# Altium PCB Main_Board.PcbDoc (part 3 of 3)
Units mil, origin at the board's own origin, x right, y up, seen from the top; angles counter-clockwise.
Board outline 4645.67 x 5570.87 mil, 4 copper layers (Top Layer, Layer 1, Layer 4, Bottom Layer), stack 23.756 mil thick; 249 components, 164 nets, 753 pads, 452 vias.
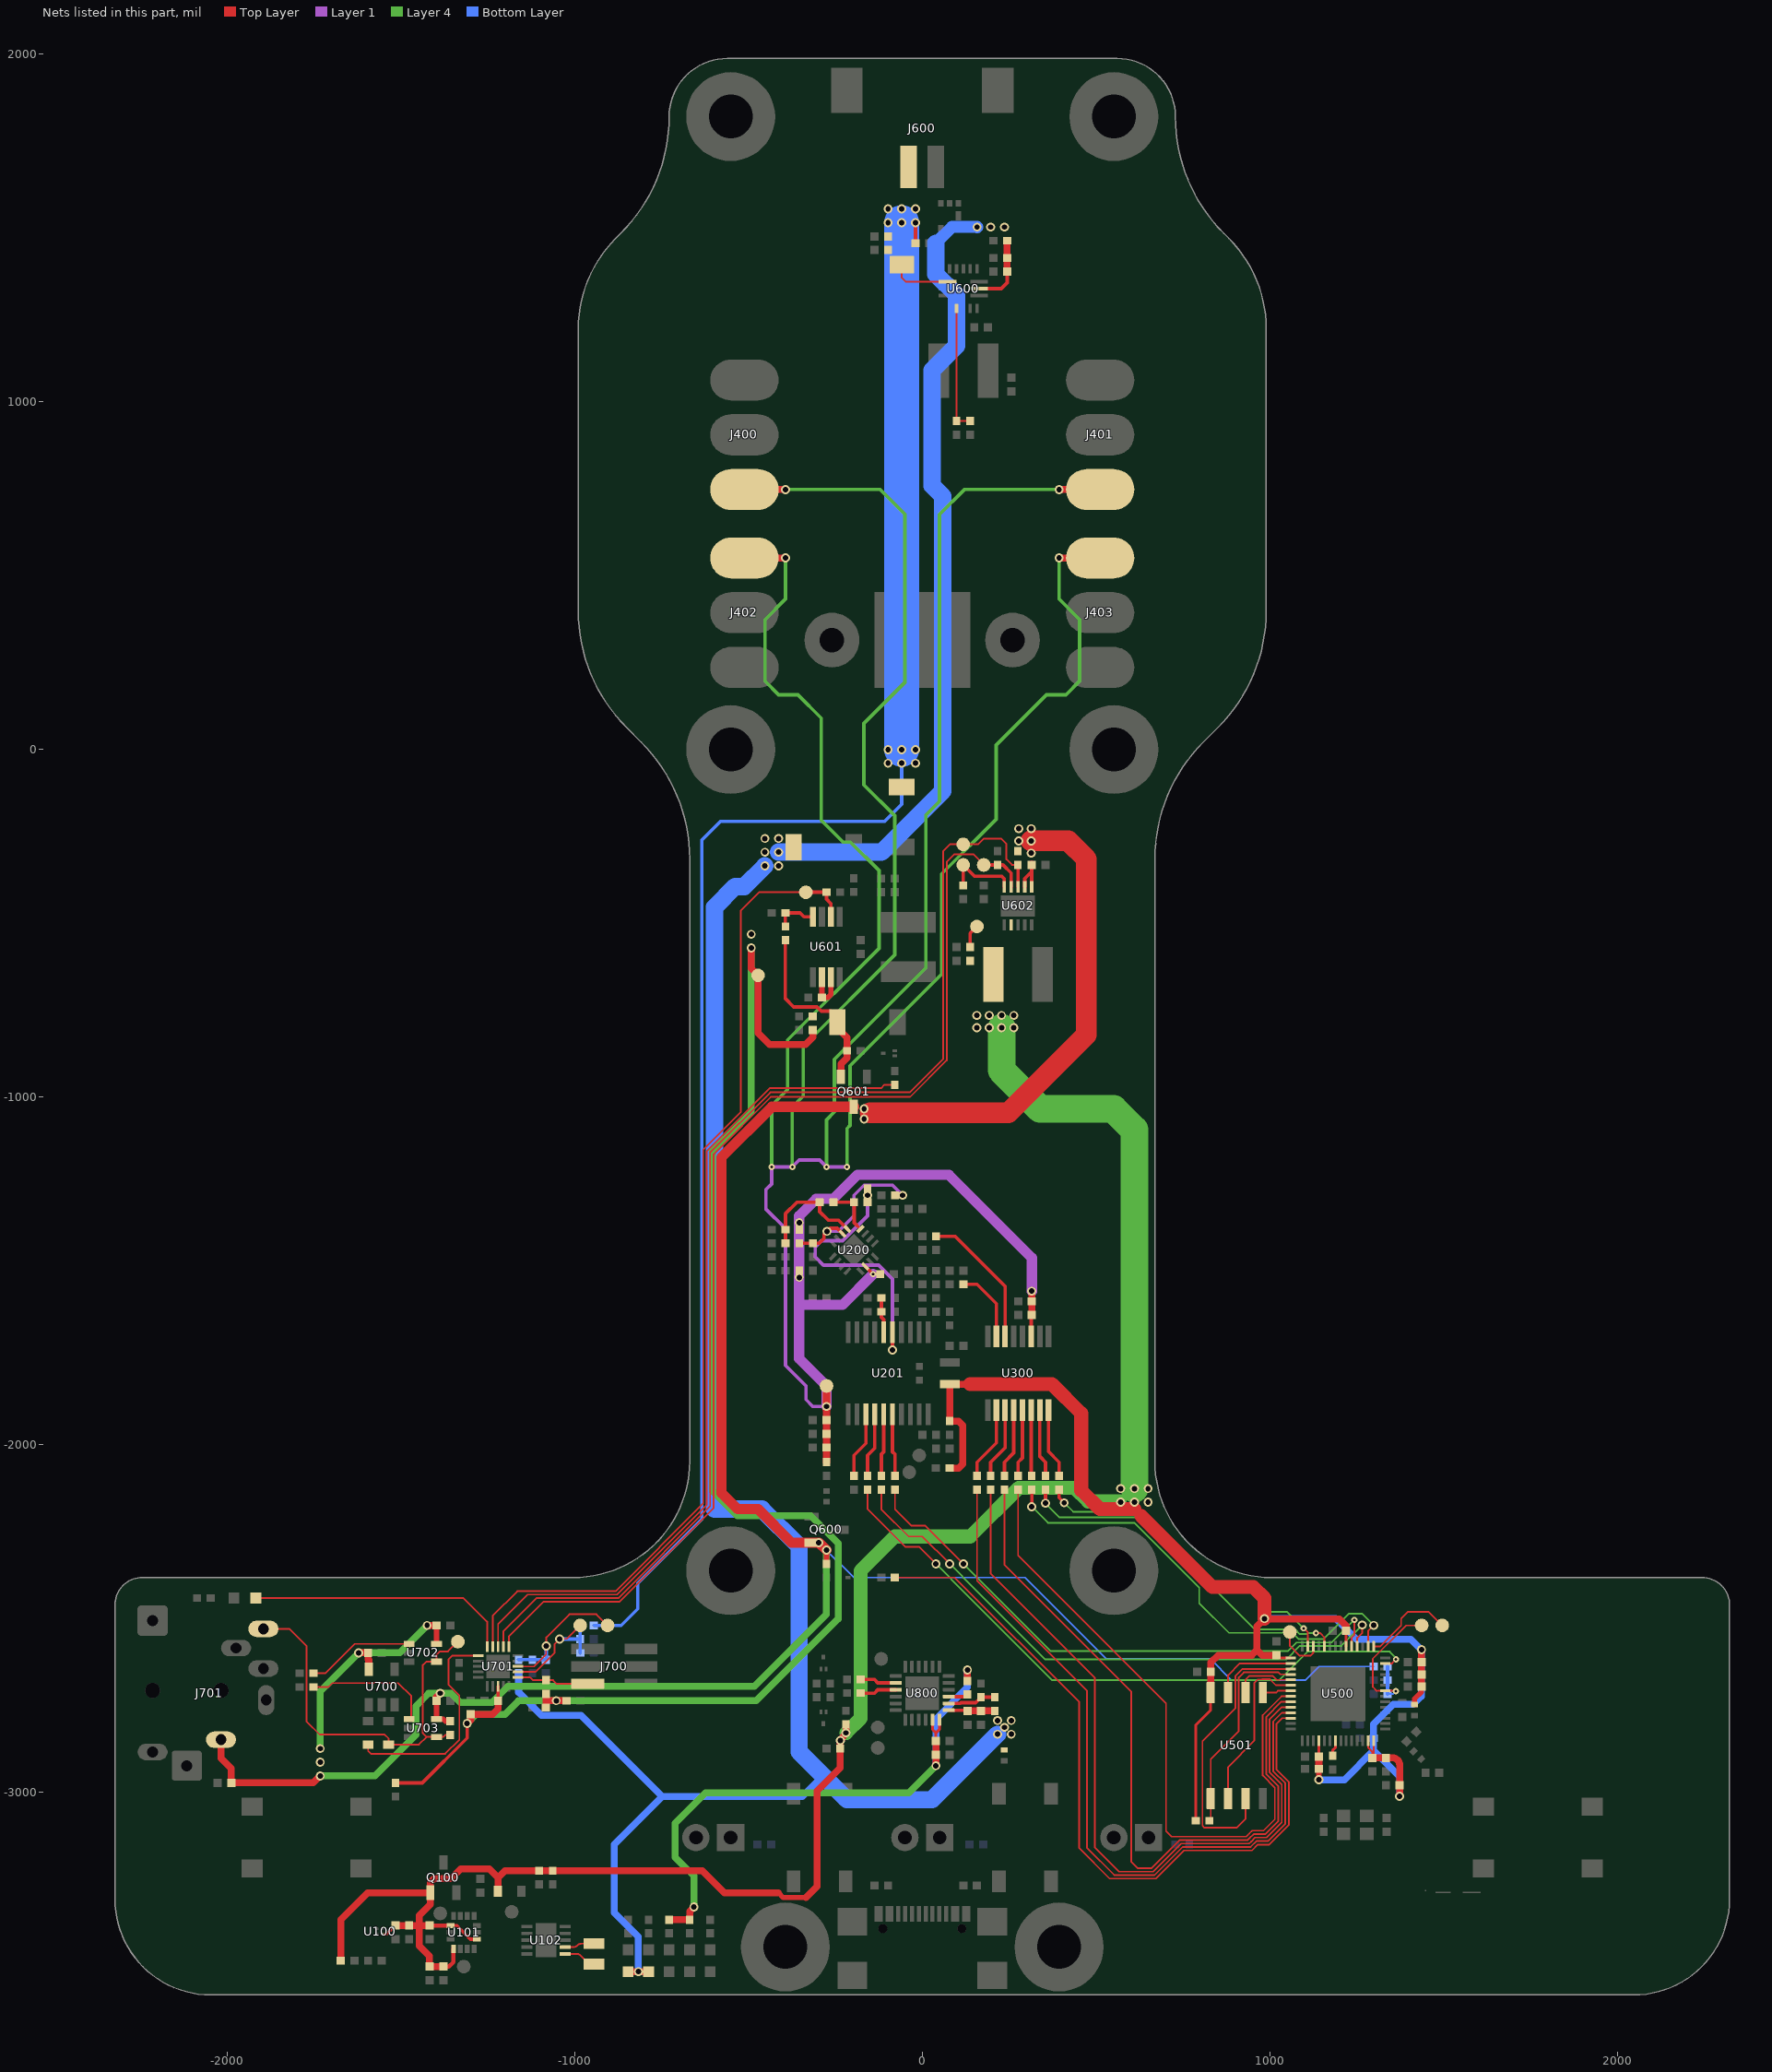
[diagram p5: the nets of this part, all layers, seen from the top]

## Via types
v1: diameter 25.98, hole 15.75, Top Layer to Bottom Layer, tented both sides, 343 vias
v2: diameter 18.11, hole 7.87, Top Layer to Bottom Layer, tented both sides, 109 vias

## Nets (pads, with @x,y where several pads share a name; then routed paths per layer and width w, separated by ;. In a path a pad name is that pad's centre, name@x,y a point inside that pad or via, vN(x,y) a via of type N, cw(c..) or ccw(c..) an arc to the next point about the centre after c; other vN are vias at no path point) (continued)
NetR204_1: R204.1 R220.1 U201.6 | length 101.3
  Top Layer w10: R204.1@-117.91,-1577.62 R220.1@-117.91,-1616.99 -117.91,-1632.89 -111.02,-1639.78 U201.6@-111.02,-1676.04
NetR210_2: R210.2 U201.13 | length 191.4
  Top Layer w10: R210.2@-196.65,-2089.43 -196.65,-2030.37 -162.2,-1995.92 U201.13@-162.2,-1912.26
NetR211_2: R211.2 U201.14 | length 185.7
  Top Layer w10: R211.2@-157.28,-2089.43 -157.28,-2030.37 -136.61,-2009.7 U201.14@-136.61,-1912.26
NetR212_2: R212.2 U201.15 | length 180
  Top Layer w10: R212.2@-117.91,-2089.43 -117.91,-2027.38 -111.02,-2020.49 U201.15@-111.02,-1912.26
NetR213_2: R213.2 U201.16 | length 180
  Top Layer w10: U201.16@-85.43,-1912.26 -85.43,-2020.49 -78.54,-2027.38 R213.2@-78.54,-2089.43
NetR214_1: R214.1 R221.2 R222.2 U200.10 | length 496
  Top Layer w10: R214.1@-354.13,-1420.14 R222.2@-314.76,-1420.14 -297.01,-1420.14 -282.48,-1405.61 -282.48,-1394.44 v1(-273.91,-1385.87) -265.34,-1377.3 -245.25,-1377.3 U200.10@-229.36,-1393.19 ; R221.2@-78.54,-1282.34 v1(-56.89,-1282.34)
  Layer 1 w10: v1(-273.91,-1385.87) -241.13,-1385.87 -196.65,-1341.4 -196.65,-1282.34 -167.46,-1253.15 -86.08,-1253.15 v1(-56.89,-1282.34)
NetR215_1: R215.1 R216.1 R217.2 U200.9 | length 324.7
  Top Layer w10: R216.1@-393.5,-1420.14 R215.1@-393.5,-1380.77 -393.5,-1335.06 -360.47,-1302.03 R217.2@-295.08,-1302.03 -295.08,-1329.09 -270.1,-1354.07 -240.65,-1354.07 U200.9@-215.44,-1379.27
NetR217_1: R217.1 R218.2 U200.8 | length 144.7
  Top Layer w10: R217.1@-255.71,-1302.03 -195.67,-1302.03 -195.67,-1361.47 U200.8@-177.86,-1379.27
NetR218_1: R218.1 R219.1 U201.5 | length 818.8
  Top Layer w10: R218.1@-157.28,-1302.03 v1(-157.28,-1282.34) R219.1@-157.28,-1262.66 ; v1(-85.43,-1727.22) U201.5@-85.43,-1676.04
  Layer 1 w10: v1(-157.28,-1282.34) -157.28,-1341.4 -229.02,-1413.14 -289.97,-1413.14 -307.96,-1431.14 -307.96,-1459.51 -284.35,-1483.12 -125.4,-1483.12 -85.43,-1523.09 v1(-85.43,-1727.22)
NetR301_2: R301.2 U300.2 | length 212
  Top Layer w10: R301.2@157.68,-2089.43 157.68,-2050.06 213.29,-1994.45 U300.2@213.29,-1900.45
NetR302_2: R302.2 U300.3 | length 206.1
  Top Layer w10: R302.2@197.05,-2089.43 197.05,-2050.06 238.29,-2008.82 U300.3@238.29,-1900.45
NetR303_2: R303.2 U300.4 | length 200.1
  Top Layer w10: R303.2@236.42,-2089.43 236.42,-2050.06 263.29,-2023.19 U300.4@263.29,-1900.45
NetR304_1: R304.1 U300.15 | length 212
  Top Layer w10: R304.1@118.31,-1538.25 157.68,-1538.25 213.29,-1593.86 U300.15@213.29,-1687.85
NetR306_2: R306.2 U300.6 | length 189.8
  Top Layer w10: U300.6@313.29,-1900.45 313.29,-2087.56 R306.2@315.16,-2089.43
NetR307_2: R307.2 U300.5 | length 194.2
  Top Layer w10: R307.2@275.79,-2089.43 275.79,-2050.06 288.29,-2037.56 U300.5@288.29,-1900.45
NetR308_2: R308.2 U300.8 | length 201.7
  Top Layer w10: U300.8@363.29,-1900.45 363.29,-2019.45 393.9,-2050.06 R308.2@393.9,-2089.43
NetR309_2: R309.2 U300.7 | length 195.7
  Top Layer w10: U300.7@338.29,-1900.45 338.29,-2033.82 354.53,-2050.06 R309.2@354.53,-2089.43
NetR311_1: R311.1 U300.14 | length 401.9
  Top Layer w10: R311.1@39.57,-1400.45 94.53,-1400.45 238.29,-1544.21 U300.14@238.29,-1687.85
NetR501_1: R501.1 U500.49 | length 46.4
  Top Layer w8: R501.1@1180.52,-2894.78 1180.52,-2879.55 1188.4,-2871.67 U500.49@1188.4,-2851.64
NetR607_1: R607.1 R612.2 U601.4 | length 125.1
  Top Layer w5: U601.4@-314.96,-482.22 U601.4@-314.17,-481.44
  Top Layer w10: R607.1@-393.9,-509 R612.2@-393.9,-469.63 -351.83,-469.63 -340.02,-481.44 U601.4@-314.17,-481.44
NetR610_2: R610.2 R613.1 U600.13 | length 363.4
  Top Layer w5: U600.13@98.62,1268.84 98.62,1236.28 98.62,945.08 R613.1@98.42,944.88 R610.2@137.8,944.88
NetR618_1: R618.1 TP607.1 U602.5 | length 216.8
  Top Layer w10: R618.1@117.91,-390.89 TP607.1@117.91,-331.83 150.5,-364.42 228.54,-364.42 236.02,-371.9 U602.5@236.02,-394.94
NetR703_2: R703.2 U702.1 | length 310.7
  Top Layer w5: R703.2@-1751.97,-2657.48 -1717.24,-2657.48 -1632.59,-2572.83 U702.1@-1476.38,-2572.83
NetR704_2: R704.2 U703.1 | length 374.1
  Top Layer w5: R704.2@-1751.97,-2696.85 -1708.54,-2696.85 -1697.28,-2685.59 -1507.92,-2685.59 -1470.36,-2723.15 -1470.36,-2789.37 U703.1@-1476.38,-2789.37
NetR802_2: R802.2 R806.2 U800.8 | length 139.8
  Top Layer w10: U800.8@76.18,-2744.07 109.43,-2744.07 111.62,-2741.89 153.76,-2741.89 R806.2@169.3,-2726.35 R802.2@208.66,-2726.35
NetR803_1: R803.1 U800.9 | length 56.2
  Top Layer w10: U800.9@76.18,-2724.39 124.09,-2724.39 129.92,-2718.56 R803.1@129.92,-2718.48
NetR804_1: R804.1 U800.20 | length 105.1
  Top Layer w10: R804.1@-177.16,-2675.17 -137.79,-2675.17 -127.95,-2685.01 U800.20@-76.18,-2685.01
NetR805_1: R805.1 U800.21 | length 105.1
  Top Layer w10: R805.1@-177.17,-2714.54 -137.79,-2714.54 -127.95,-2704.7 U800.21@-76.18,-2704.7
NetTP500_1: TP500.1 U500.15 | length 266.4
  Top Layer w5: U500.15@1298.63,-2579.64 1317.93,-2579.64 1377.95,-2519.62 1377.95,-2500 1397.64,-2480.31 1456.69,-2480.31 TP500.1@1496.06,-2519.68
NetTP501_1: TP501.1 U500.26 | length 141.4
  Top Layer w5: TP501.1@1057.73,-2538.69 1057.73,-2578.54 1085.99,-2606.81 1116.93,-2606.81 1125.4,-2598.33 U500.26@1125.4,-2579.64
NetU102_1: U102.1 Y100.2 | length 93.1
  Top Layer w5: U102.1@-1027.68,-3464.57 -993.27,-3464.57 cw(c-993.27,-3477.45) -984.16,-3468.34 -967.97,-3484.53 ccw(c-944.88,-3461.44) Y100.2@-944.88,-3494.09
NetU102_2: U102.2 Y100.1 | length 85.4
  Top Layer w5: U102.2@-1027.68,-3444.88 -1003.49,-3444.88 ccw(c-1003.49,-3430.01) -992.97,-3440.53 cw(c-979.73,-3453.77) -979.73,-3435.04 Y100.1@-944.88,-3435.04
nMCLR: J700.6 R702.1 U701.1 | length 208.5
  Top Layer w5: U701.1@-1163.39,-2669.29 -1127.53,-2669.29 -1119.66,-2677.17 R702.1@-1082.68,-2677.17 -1062.41,-2677.17 -1051.78,-2687.8 J700.6@-962.6,-2687.8
nSS_CONN: D700.2 J701.6 R708.1 TP700.1 U702.4 U703.4 | length 1174.6
  Top Layer w5: J701.6@-1895.67,-2529.53 -1820.87,-2529.53 -1771.65,-2578.74 -1771.65,-2795.28 -1733.1,-2833.83 -1547.01,-2833.83 -1535.43,-2845.41 D700.2@-1535.43,-2862.2 -1448.08,-2862.2 -1426.43,-2840.55 ; R708.1@-1358.27,-2834.65 -1371.93,-2834.65 -1377.84,-2840.55 -1426.43,-2840.55 ; TP700.1@-1336.23,-2566.43 -1364.49,-2594.7 -1387.55,-2594.7 -1397.64,-2604.78 U702.4@-1397.64,-2624.02 -1427.52,-2624.02 -1437.01,-2633.51 -1437.01,-2829.97 -1426.43,-2840.55
nSS_TX_EN: D701.2 U701.11 | length 635.1
  Top Layer w5: D701.2@-1594.49,-2862.2 -1594.49,-2881.06 -1586.63,-2888.92 -1372.81,-2888.92 -1332.02,-2848.13 -1332.02,-2720.83 -1363.44,-2689.41 -1363.44,-2618.41 -1351.33,-2606.3 U701.11@-1277.56,-2606.3
PCM1780_BCK: R309.1 U500.24 | length 1033.1
  Top Layer w5: v2(1132.62,-2541.9) 1145.19,-2541.9 1156.9,-2553.61 U500.24@1156.9,-2579.64
  Top Layer w10: v1(354.53,-2168.17) R309.1@354.53,-2128.8
  Layer 4 w5: v1(354.53,-2168.17) 395.36,-2209 633.79,-2209 955.8,-2531.01 1072.19,-2531.01 1085.66,-2544.48 1108.3,-2544.48 1110.88,-2541.9 v2(1132.62,-2541.9) v2@1130.12,-2544.41
PCM1780_DATA: R306.1 U500.16 | length 1328.1
  Top Layer w5: U500.16@1282.89,-2579.64 1282.89,-2536.01 v1(1299.21,-2519.68)
  Top Layer w10: v1(315.16,-2178.01) R306.1@315.16,-2128.8
  Layer 4 w5: v1(315.16,-2178.01) 361.56,-2224.41 610.24,-2224.41 796.96,-2411.14 796.96,-2455.51 882.46,-2541.01 1064.63,-2541.01 1082.36,-2558.74 1155.36,-2558.74 1228.51,-2485.6 1265.13,-2485.6 v1(1299.21,-2519.68)
PCM1780_LRCK: R308.1 U500.27 | length 939.7
  Top Layer w5: v2(1096.96,-2527.92) 1097.72,-2527.92 1109.66,-2539.86 U500.27@1109.66,-2579.64
  Top Layer w10: R308.1@393.9,-2128.8 393.9,-2152.47 v1(408.35,-2166.93)
  Layer 4 w5: v1(408.35,-2166.93) 434.16,-2192.74 638.92,-2192.74 818.76,-2372.58 847.76,-2401.57 925.2,-2401.57 1004.67,-2481.05 1050.09,-2481.05 v2(1096.96,-2527.92)
PCM1780_MC: R302.1 U500.38 | length 2165.2
  Top Layer w5: R302.1@197.05,-2128.8 197.05,-2370.74 496.87,-2670.56 496.87,-3092.91 496.87,-3158.6 566.3,-3228.03 664.21,-3228.03 745.12,-3147.12 940.51,-3147.12 946.22,-3141.41 957.63,-3130 990.23,-3130 1034.44,-3085.79 1034.44,-2977.97 999.43,-2942.96 999.43,-2789.44 1033.85,-2755.01 U500.38@1060.27,-2755.01
PCM1780_MD: R303.1 U500.37 | length 2111.1
  Top Layer w5: R303.1@236.42,-2128.8 236.42,-2345.24 601.03,-2709.84 601.03,-3199.45 619.61,-3218.03 659.92,-3218.03 740.83,-3137.12 936.36,-3137.12 942.08,-3131.41 953.49,-3120 986.08,-3120 1024.44,-3081.65 1024.44,-2982.12 989.43,-2947.1 989.43,-2783.47 1033.63,-2739.27 U500.37@1060.27,-2739.27
PCM1780_nMS: R301.1 U500.39 | length 2195.6
  Top Layer w5: R301.1@157.68,-2128.8 157.68,-2391.09 474.33,-2707.74 474.33,-3088.66 474.33,-3159.85 552.51,-3238.03 668.35,-3238.03 749.26,-3157.12 944.65,-3157.12 961.77,-3140 994.37,-3140 1044.44,-3089.93 1044.44,-2973.83 1009.43,-2938.82 1009.43,-2796.33 1034.99,-2770.76 U500.39@1060.27,-2770.76
PCM1780_SCK: R307.1 U500.36 | length 1916.7
  Top Layer w5: R307.1@275.79,-2128.8 275.79,-2318.11 701.4,-2743.72 701.4,-3111.71 716.81,-3127.12 932.22,-3127.12 934.33,-3125.01 940.71,-3118.63 949.34,-3110 981.94,-3110 1014.44,-3077.5 1014.44,-2986.26 979.43,-2951.24 979.43,-2777.77 1033.68,-2723.52 U500.36@1060.27,-2723.52
PIC_LED: D702.1 U701.10 | length 765.3
  Top Layer w5: D702.1@-1917.32,-2440.94 -1319.99,-2440.94 -1251.97,-2508.97 U701.10@-1251.97,-2580.71
SPI_SCK: R211.1 U500.13 | length 1862.1
  Top Layer w5: R211.1@-157.28,-2128.8 -157.28,-2185.24 -48.98,-2293.54 -9.61,-2293.54 v1(39.37,-2342.52) ; U500.13@1332.27,-2629.03 1351.84,-2629.03 v2(1363.2,-2617.66)
  Layer 4 w5: v1(39.37,-2342.52) 127.2,-2430.35 374.02,-2677.17 653.18,-2677.17 767.72,-2677.17 1026.79,-2677.17 1076.16,-2627.8 1108.79,-2595.17 1344.94,-2595.17 1363.2,-2613.43 v2(1363.2,-2617.66)
SPI_SDI: R212.1 U500.18 | length 1727.7
  Top Layer w5: R212.1@-117.91,-2128.8 -117.91,-2185.24 -39.37,-2263.78 0,-2263.78 v1(78.74,-2342.52) ; U500.18@1251.39,-2579.64 1251.39,-2555.43 1265.9,-2540.93 v1(1265.9,-2518.49)
  Layer 4 w5: v1(78.74,-2342.52) 152.22,-2416 354.02,-2617.8 1015.34,-2617.8 1047.27,-2617.8 1086.33,-2578.74 1205.65,-2578.74 v1(1265.9,-2518.49)
SPI_SDO: R213.1 U500.19 | length 1663.1
  Top Layer w5: R213.1@-78.54,-2128.8 -78.54,-2185.24 -30.65,-2233.13 8.72,-2233.13 v1(118.11,-2342.52) ; U500.19@1235.64,-2579.64 1235.64,-2554.66 1242.92,-2547.38 v2(1242.92,-2503.9)
  Layer 4 w5: v1(118.11,-2342.52) 177.17,-2401.57 369.35,-2593.76 1052.04,-2593.76 1077.06,-2568.74 1178.08,-2568.74 v2(1242.92,-2503.9)
SPICLK: U500.33 U501.6 | length 176.5
  Top Layer w5: U501.6@929.93,-2712.89 929.93,-2676.22 941.37,-2664.78 1008.21,-2664.78 1019.7,-2676.27 U500.33@1060.27,-2676.27
SPICS0: R505.1 U500.32 U501.1 | length 603.8
  Top Layer w5: R505.1@829.93,-3081.79 U501.1@829.93,-3017.61 829.93,-2904.69 910.62,-2824 910.62,-2669.51 925.35,-2654.78 1025.17,-2654.78 1030.92,-2660.53 U500.32@1060.27,-2660.53
SPID: U500.35 U501.5 | length 82.5
  Top Layer w5: U501.5@979.93,-2712.89 1017.92,-2712.89 1023.04,-2707.77 U500.35@1060.27,-2707.77
SPIHD: U500.30 U501.7 | length 244.6
  Top Layer w5: U501.7@879.93,-2712.89 879.93,-2662.48 913.38,-2629.03 U500.30@1060.27,-2629.03
SPIQ: U500.34 U501.2 | length 480
  Top Layer w5: U501.2@879.93,-3017.61 879.93,-2926.88 955.3,-2851.51 955.3,-2685.28 965.71,-2674.88 977.06,-2674.88 977.16,-2674.78 1000.49,-2674.78 1017.73,-2692.02 U500.34@1060.27,-2692.02
SPIWP: U500.31 U501.3 | length 833
  Top Layer w5: U501.3@929.93,-3017.61 929.93,-3076.47 904.93,-3101.47 811.98,-3101.47 806.13,-3095.63 806.13,-3067.85 806.13,-2852.59 900.62,-2758.1 900.62,-2665.36 921.21,-2644.78 U500.31@1060.27,-2644.78
USB_VBUS: C608.2 C609.2 C800.2 C801.2 D600.1 D601.1 D602.2 L800.2 R604.2 R608.1 R802.1 U600.2 U800.7 | length 7907
  Top Layer w10: U800.7@76.18,-2763.76 127.96,-2763.76 C801.2@129.93,-2765.72 ; U600.2@163.58,1325.93 227.37,1325.93 244.29,1342.85 C609.2@244.29,1374.69
  Top Layer w20: D600.1@-846.46,-3515.75 v1(-816.93,-3515.75) D601.1@-787.4,-3515.75 ; C801.2@129.93,-2765.72 C800.2@169.3,-2765.72 R802.1@208.66,-2765.72 ; C609.2@244.29,1374.69 C608.2@244.29,1414.05 R608.1@244.29,1463.72
  Bottom Layer w20: R604.2@-1161.42,-2657.48 -1161.42,-2712.47 -1095.58,-2778.31 -981.53,-2778.31 -748.08,-3011.76 ; v1(-816.93,-3515.75) -816.93,-3415.35 -885.83,-3346.46 -885.83,-3149.5 -748.08,-3011.76 ; -285.43,-2952.07 -345.17,-3011.81 -748.03,-3011.81 -748.08,-3011.76
  Bottom Layer w35: 38.52,1456.69 85.49,1503.67 157.1,1503.67 v1(157.68,1503.09)
  Bottom Layer w50: v1(-452.76,-334.65) -512.28,-394.17 -538.24,-394.17 -597.48,-453.41 -597.48,-2185.04 -461.26,-2185.04 -354.33,-2291.97 -354.33,-2883.18 -285.43,-2952.07 -216.54,-3020.97 28.22,-3020.97 v1(216.54,-2832.65) ; v1(-413.39,-295.28) -117.31,-295.28 59.06,-118.91 59.06,728.35 28.39,759.01 28.39,1091.38 98.62,1161.61 98.62,1307.82 38.52,1367.92 38.52,1456.69
  other v1: 255.91,-2832.65 236.22,-2812.97 216.54,-2793.28 255.91,-2793.28 -413.39,-334.65 -452.76,-295.28 -452.76,-255.91 -413.39,-255.91 197.05,1503.09 236.42,1503.09
USB_VBUS_FB: C624.2 R604.1 R609.2 TP603.1 U701.3 | length 480.1
  Top Layer w5: U701.3@-1163.39,-2637.8 -1117.44,-2637.8 -1082.68,-2603.03 -1082.68,-2579.68 v1(-1081.74,-2578.74) -1081.74,-2554.12 -1015.11,-2487.5 -937.7,-2487.5 TP603.1@-905.51,-2519.68
  Bottom Layer w10: R604.1@-1161.42,-2618.11 C624.2@-1082.68,-2618.11 -1082.21,-2617.64 -1082.21,-2579.21 v1(-1081.74,-2578.74)
V_BATT: C610.2 C611.2 D603.2 J600.1 R600.2 R605.2 R624.2 U600.9 | length 4919
  Top Layer w5: R605.2@-58.86,1394.82 -58.86,1357.65 -46.8,1345.59 U600.9@73.03,1345.61
  Top Layer w10: R624.2@-19.69,1456.69 v1(-19.69,1515.75)
  Bottom Layer w10: R600.2@-944.88,-2519.68 -866.14,-2519.68 -818.35,-2471.89 -818.35,-2398.52 -634.09,-2214.27 -634.09,-260.08 -580.45,-206.43 -108.01,-206.43 -59.06,-157.48 v1(-59.06,-39.37)
  Bottom Layer w100: v1(-59.06,0) v1(-59.06,1515.75)
  other v1: -98.43,-39.37 -19.68,-39.37 -98.43,0 -19.69,0 -98.43,1515.75 -98.43,1555.12 -59.06,1555.12 -19.69,1555.12
V_BATT_FB: C623.1 R600.1 R601.2 TP600.1 U701.2 | length 387
  Top Layer w5: U701.2@-1163.39,-2653.54 -1112.87,-2653.54 -1058.09,-2598.77 -1058.09,-2573.84 v1(-1043.31,-2559.06) -1042.5,-2558.25 -1022.81,-2558.25 TP600.1@-984.25,-2519.68
  Bottom Layer w10: v1(-1043.31,-2559.06) C623.1@-984.26,-2559.05 ; R601.2@-984.25,-2598.43 C623.1@-984.26,-2559.05 R600.1@-984.25,-2519.68
VDD_3V3: C100.1 C101.2 C102.2 C103.2 C104.2 C502.2 C503.2 C504.2 C505.2 C506.2 C507.2 C508.2 C510.2 C511.2 C512.2 C516.2 C615.2 C616.2 D100.2 L200.2 L501.1 L602.2 Q100.1 R100.1 R101.2 R102.2 R208.2 R209.2 R500.2 R502.1 R503.1 R505.2 TP604.1 U100.B1 U101.5 U101.8 U101.12 U500.20 U500.29 U500.46 U500.55 U500.56 U501.8 U602.7 | length 10372.4
  Top Layer w5.91: U500.55@1282.89,-2851.64 1282.89,-2871.44 1294.7,-2883.26 C511.2@1294.7,-2900.68 1298.63,-2896.75 U500.56@1298.63,-2851.64
  Top Layer w8: R505.2@786.82,-3081.79 786.82,-2806.09 829.93,-2762.98 U501.8@829.93,-2712.89 ; C503.2@1019.1,-2605.41 1026.98,-2613.28 U500.29@1060.27,-2613.28 ; C505.2@1141.15,-2896.75 U500.46@1141.15,-2851.64 ; U500.20@1219.89,-2579.64 C502.2@1219.89,-2534.54
  Top Layer w9: U100.B1@-1552.79,-3407.71 -1540.65,-3407.71 C100.1@-1515.95,-3383.01
  Top Layer w10: U101.5@-1356.84,-3383.01 -1339.47,-3383.01 -1300.09,-3422.39 U101.12@-1281.35,-3422.39 ; C615.2@137.6,-568.06 137.6,-528.68 TP604.1@157.28,-509
  Top Layer w12: C104.2@-1417.52,-3383.01 U101.5@-1356.84,-3383.01 ; C102.2@-1378.15,-3501.12 -1361.97,-3501.12 -1348.63,-3487.78 U101.8@-1348.63,-3450.2
  Top Layer w15: -413.85,-3288.57 -399.66,-3302.76 -335,-3302.76 ; v1(1141.15,-2963.67) C504.2@1141.15,-2932.18 ; L501.1@1416.74,-2747.14 1416.74,-2730.33 1436.43,-2710.64 C508.2@1436.43,-2695.96
  Top Layer w20: R100.1@-1673.23,-3484.25 -1673.23,-3366.14 -1595.61,-3288.52 Q100.1@-1415.55,-3288.52 ; C100.1@-1515.95,-3383.01 C101.2@-1476.57,-3383.01 -1447.04,-3383.01 ; C104.2@-1417.52,-3383.01 -1447.04,-3383.01 ; C102.2@-1378.15,-3501.12 C103.2@-1417.52,-3501.12 -1417.52,-3471.16 -1447.04,-3441.63 -1447.04,-3383.01 ; D100.2@-1220.67,-3284.59 -1220.67,-3245.22 ; -413.85,-3288.57 -569.69,-3288.57 -632.74,-3225.53 R101.2@-1063.19,-3225.53 R102.2@-1102.56,-3225.53 -1200.98,-3225.53 -1220.67,-3245.22 ; -335,-3302.76 -302.22,-3269.97 -302.22,-2995.5 -236.22,-2929.5 R502.1@-236.22,-2874.02 -236.22,-2851.08 v1(-236.03,-2850.89) v1(-219.65,-2828.84) -219.55,-2828.75 -219.55,-2806.3 -219.5,-2806.24 R500.2@-219.5,-2804.49 ; R209.2@78.74,-2066.93 104.22,-2066.93 115.93,-2055.21 115.93,-1943.66 104.22,-1931.95 R208.2@78.94,-1931.95 L200.2@78.94,-1825.65 137.8,-1825.65 ; U501.8@830.13,-2712.89 C516.2@830.13,-2664.46 ; C516.2@830.13,-2652.66 830.13,-2626.26 850.98,-2605.41 947.41,-2605.41 963.16,-2589.66 ; C503.2@1019.1,-2605.41 978.91,-2605.41 963.16,-2589.66 ; C504.2@1141.15,-2932.18 C505.2@1141.15,-2896.75 ; C502.2@1219.89,-2534.54 1219.89,-2520.56 1200.21,-2500.87 984.25,-2500.87 963.16,-2521.97 963.16,-2589.66 ; C511.2@1294.7,-2900.68 C512.2@1334.07,-2900.68 1353.12,-2900.68 cw(c1353.12,-2921) 1373.44,-2921 C510.2@1373.44,-2979.43 v1(1373.44,-3010.92) ; C508.2@1436.43,-2695.96 C507.2@1436.43,-2660.53 C506.2@1436.43,-2625.1 v1(1436.43,-2589.66) ; -1447.04,-3383.01 -1447.04,-3353.48 -1415.55,-3321.99 Q100.1@-1415.55,-3288.52 ; Q100.1@-1415.55,-3288.52 -1415.55,-3259.01 -1404.33,-3247.79 -1355.76,-3247.79 -1328.33,-3220.37 -1245.52,-3220.37 -1220.67,-3245.22
  Top Layer w40: 137.8,-1825.65 373.45,-1825.65 457.43,-1909.62 457.43,-2131.33 511.14,-2185.04 610.24,-2185.04 ; 629.92,-2204.72 834.23,-2409.03 952.34,-2409.03 984.25,-2440.94 v1(984.25,-2500)
  Top Layer w50: L602.2@204.53,-646.79 L602.2@207.48,-649.74
  Layer 4 w40: v1@-218.9,-2828.84 -177.16,-2787.11 -177.16,-2362.2 -78.74,-2263.78 137.8,-2263.78 277.9,-2123.68 438.06,-2123.68 477.31,-2162.93 v1@568.44,-2162.93
  Layer 4 w80: v1(228.15,-800.34) 228.15,-922.38 339.45,-1033.69 550.56,-1033.69 610.24,-1093.37 v1(610.24,-2125.98)
  Bottom Layer w20: v1(984.25,-2500) 1189.29,-2500 1248.82,-2559.53 1406.3,-2559.53 v1(1436.43,-2589.66) 1436.43,-2723.39 1412.68,-2747.14 1354.8,-2747.14 1298.63,-2803.3 R503.1@1298.63,-2844.12 1298.63,-2884.93 ; v1(1141.15,-2963.67) 1214.79,-2963.67 1298.63,-2879.83 1373.44,-2954.63 v1(1373.44,-3010.92)
  other v1: 570.87,-2165.35 610.24,-2165.35 649.61,-2165.35 570.87,-2125.98 649.61,-2125.98 157.28,-800.34 192.72,-800.34 263.58,-800.34 157.28,-764.9 192.72,-764.9 228.15,-764.9 263.58,-764.9
VDD_3V3_CE: R617.2 TP606.1 U602.4 U701.6 | length 3397
  Top Layer w5: U701.6@-1188.98,-2580.71 -1188.98,-2550.23 -1089.79,-2451.04 -870.25,-2451.04 -600.24,-2181.03 -600.24,-1163.65 -435.72,-999.13 -34.56,-999.13 70.38,-894.19 70.38,-323.32 92.42,-301.28 146.42,-301.28 TP606.1@176.97,-331.83
  Top Layer w10: TP606.1@176.97,-331.83 180.49,-335.35 TP606.1@190.73,-335.35 ; TP606.1@194.25,-331.83 R617.2@216.34,-331.83 232.16,-331.83 255.71,-355.37 U602.4@255.71,-394.94
VDD_3V3_PGOOD: R614.1 TP605.1 U602.3 U701.7 | length 3536.7
  Top Layer w5: U701.7@-1204.72,-2580.71 -1204.72,-2535.95 -1109.82,-2441.04 -874.39,-2441.04 -610.24,-2176.89 -610.24,-1159.51 -436.97,-986.24 -35.82,-986.24 60.38,-890.04 60.38,-291.6 79.21,-272.78 TP605.1@117.91,-272.78 160.29,-272.78 177.17,-255.91 226.83,-255.91 242.04,-271.12 242.04,-316.02 257.85,-331.83 R614.1@275.39,-331.83
  Top Layer w10: U602.3@275.39,-394.94 R614.1@275.39,-331.83
VDD_5V: C614.2 C700.2 C703.2 C706.1 C707.2 J701.2 Q600.2 Q601.3 R614.2 R616.2 R620.2 R708.2 U602.1 U602.2 U700.5 U702.5 U703.5 | length 8212.9
  Top Layer w10: U602.2@295.08,-394.94 295.08,-371.2 314.76,-351.52 ; U602.1@314.76,-394.94 314.76,-351.52 ; C614.2@314.76,-331.83 314.76,-351.52
  Top Layer w15: C706.1@-1397.64,-2736.22 U703.5@-1397.64,-2789.37 -1377.91,-2789.37 -1372,-2795.28 R708.2@-1358.27,-2795.28 ; U702.5@-1397.64,-2572.83 C707.2@-1397.64,-2519.68 ; R616.2@-275.59,-2342.52 v1(-275.59,-2303.15)
  Top Layer w20: J701.2@-2017.72,-2848.43 -2017.72,-2901.98 -1988.19,-2931.5 C703.2@-1988.19,-2972.44 -1751.97,-2972.44 v1(-1732.28,-2952.76) ; v1(-1621.57,-2598.42) C700.2@-1594.49,-2598.42 -1594.49,-2617.44 -1592.52,-2619.41 U700.5@-1592.52,-2645.67 ; v1(-1424.72,-2519.68) C707.2@-1397.64,-2519.68 ; C706.1@-1397.64,-2736.22 -1397.64,-2725.5 v1(-1386.94,-2714.79) ; C614.2@314.76,-331.83 C614.2@314.76,-330.02
  Top Layer w30: v1(-275.59,-2303.15) -297.24,-2281.5 v1(-298.23,-2281.5) Q600.2@-318.9,-2281.5 -375.98,-2281.5 -472.44,-2185.04 -531.5,-2185.04 -577.74,-2138.8 -577.74,-1172.97 -432.33,-1027.56 Q601.3@-196.85,-1027.56
  Top Layer w60: -149.69,-1045.36 247.5,-1045.36 472.44,-820.41 472.44,-314.96 420.28,-262.8 v1(313.16,-262.8)
  Layer 4 w20: v1(-1732.28,-2952.76) -1574.8,-2952.76 -1456.69,-2834.65 -1456.69,-2751.42 -1420.06,-2714.79 v1(-1386.94,-2714.79) -1356.36,-2714.79 -1329.56,-2741.59 -1238.32,-2741.59 -1191.93,-2695.2 -483.18,-2695.2 -275.59,-2487.61 v1(-275.59,-2303.15) ; v1(-1732.28,-2874.02) -1732.28,-2709.13 v1(-1621.57,-2598.42) -1503.46,-2598.42 v1(-1424.72,-2519.68)
  Bottom Layer w5: v1(-275.59,-2303.15) -196.85,-2381.89 295.28,-2381.89 529.22,-2615.83 828.3,-2615.83 889.64,-2677.17 1102.36,-2677.17 1141.73,-2637.8 R620.2@1299.21,-2637.8
  other v1: -1732.28,-2913.39 -167.32,-1062.99 -167.32,-1033.46 313.16,-297.97 277.99,-262.8 277.99,-227.63 313.16,-227.63
VDD_5V_EN: R623.2 U701.8 | length 2444.9
  Top Layer w5: U701.8@-1220.47,-2580.71 -1220.47,-2516.32 -1135.19,-2431.04 -878.53,-2431.04 -620.24,-2172.74 -620.24,-1155.36 -439.11,-974.23 -130.55,-974.23 -118.11,-974.25 -108.43,-964.57 R623.2@-78.74,-964.57
VDD_5V_FB: C622.1 R620.1 R622.2 TP609.1 U500.8 | length 438.6
  Top Layer w5: v2(1362.51,-2708.81) 1361.47,-2707.77 U500.8@1332.27,-2707.77 1307.68,-2707.77 1296.3,-2696.39 1296.3,-2615.41 1392.03,-2519.68 TP609.1@1437.01,-2519.68
  Bottom Layer w5: C622.1@1338.59,-2716.54 1354.78,-2716.54 v2(1362.51,-2708.81)
  Bottom Layer w10: C622.1@1338.59,-2716.54 R622.2@1338.58,-2677.17 R620.1@1338.58,-2637.8
VDD_5VA: C300.2 C301.2 C302.2 C618.2 C619.2 C620.2 J400.3 J401.1 J402.1 J403.3 R200.2 R214.2 R615.2 TP608.1 U200.2 U300.11 | length 12698.3
  Top Layer w10: U200.2@-163.94,-1486.45 v2(-141.27,-1509.12) C300.2@-120.91,-1509.12 ; U300.11@313.29,-1687.85 313.29,-1628.7 C301.2@315.16,-1626.83
  Top Layer w20: J402.1@-511.81,551.18 v1(-393.7,551.18) ; J400.3@-511.81,748.03 v1(-393.7,748.03) ; v1(-354.13,-1518.56) R200.2@-354.13,-1498.88 ; R214.2@-354.13,-1380.77 v1(-354.13,-1361.08) ; TP608.1@-275.59,-1830.71 -275.49,-1830.81 -275.49,-2049.96 R615.2@-275.39,-2050.06 ; C301.2@315.16,-1626.83 C302.2@315.16,-1587.46 v1(315.16,-1557.93) ; v1(393.7,551.18) J403.3@511.81,551.18 ; v1(393.7,748.03) J401.1@511.81,748.03
  Layer 1 w10: v1(-275.59,-1889.76) -314.96,-1889.76 -334.65,-1870.08 -334.65,-1830.71 -393.7,-1771.65 -393.7,-1377.95 -450.13,-1321.52 -450.13,-1266.57 -433.07,-1249.51 v2(-433.07,-1200.79) v2(-374.02,-1200.79) -354.33,-1181.1 -295.28,-1181.1 v2(-275.59,-1200.79) v2(-216.54,-1200.79)
  Layer 1 w30: v1(-275.59,-1889.76) -275.59,-1830.71 -354.13,-1752.17 -354.13,-1597.3 ; v2(-141.27,-1509.12) -229.45,-1597.3 -354.13,-1597.3 ; v1(315.16,-1557.93) 315.16,-1461.99 76.46,-1223.29 -186.81,-1223.29 -255.71,-1292.18 -304.92,-1292.18 -354.13,-1341.4 v1(-354.13,-1361.08) v1(-354.13,-1518.56) -354.13,-1597.3
  Layer 4 w10: v2(-433.07,-1200.79) -433.07,-1023.62 -387.44,-977.99 -387.44,-835.44 -124.28,-572.28 -124.28,-348.16 -206.22,-266.22 -227.43,-266.22 -290.59,-203.06 -290.59,-89.69 -290.59,90.68 -357.39,157.48 -413.39,157.48 -452.76,196.85 -452.76,374.02 -393.7,433.07 v1(-393.7,551.18) ; v1(-393.7,748.03) -121.17,748.03 -49.69,676.55 -49.69,192.97 -167.8,74.86 -167.8,-101.75 -79.28,-190.26 -79.28,-590.92 -342.44,-854.08 -342.44,-971.78 -342.44,-996.63 -374.02,-1028.21 v2(-374.02,-1200.79) ; v2(-275.59,-1200.79) -275.59,-1065.11 -252.85,-1042.37 -252.85,-891.2 10.31,-628.03 10.31,-188.86 49.68,-149.49 49.68,676.55 121.17,748.03 v1(393.7,748.03) ; v2(-216.54,-1200.79) -216.54,-1090.16 -207.85,-1081.47 -207.85,-909.83 55.31,-646.67 55.31,-358.07 212.61,-200.77 212.61,12.71 357.39,157.48 413.39,157.48 452.76,196.85 452.76,374.02 393.7,433.07 v1(393.7,551.18)
VDD_5VA_EN: R619.2 U500.40 | length 2155.5
  Top Layer w5: R619.2@-78.74,-2381.89 93.05,-2381.89 451.43,-2740.27 451.43,-3079.21 451.43,-3160.53 538.93,-3248.03 672.49,-3248.03 753.4,-3167.12 948.79,-3167.12 965.91,-3150 998.51,-3150 1054.44,-3094.07 1054.44,-2969.69 1019.43,-2934.68 1019.43,-2802.48 1035.39,-2786.51 U500.40@1060.27,-2786.51
VDD_CP2102: C802.2 C803.2 R800.2 R801.2 R803.2 U800.5 U800.6 | length 1706.2
  Top Layer w8: U800.5@29.53,-2790.72 29.53,-2819.23 39.37,-2829.08 ; C803.2@39.37,-2852.33 39.37,-2829.08 ; U800.6@49.21,-2790.72 49.21,-2819.23 39.37,-2829.08
  Top Layer w20: R801.2@-728.35,-3366.14 R800.2@-669.29,-3366.14 -669.29,-3341.93 v1(-656.99,-3329.63) ; v1(39.37,-2923.2) C802.2@39.37,-2891.7 C803.2@39.37,-2852.33 ; R803.2@129.92,-2679.11 v1(129.92,-2647.61)
  Layer 4 w20: v1(-656.99,-3329.63) -656.99,-3240.64 -710.72,-3186.92 -710.72,-3088.49 -623.15,-3000.92 -38.35,-3000.92 v1(39.37,-2923.2)
  Bottom Layer w20: v1(39.37,-2923.2) 39.37,-2788.54 129.92,-2697.99 v1(129.92,-2647.61)
VDD_PIC: C602.1 C603.2 C604.2 C701.2 C702.2 D604.1 Q601.2 R400.1 R401.1 R607.2 R621.2 R700.2 R702.2 TP601.1 U601.6 U601.7 U701.18 | length 5147.4
  Top Layer w8: C702.2@-1220.47,-2736.22 U701.18@-1220.47,-2694.88
  Top Layer w10: R401.1@-1515.75,-2972.44 -1438.34,-2972.44 -1309.57,-2843.68 v1(-1309.57,-2801.52) ; R607.2@-393.9,-548.37 -393.9,-716.87 -370.29,-740.48 -302.4,-740.48 -290.7,-752.19 -262.91,-752.19 -244.29,-770.81 D604.1@-244.29,-784.59
  Top Layer w15: U601.6@-288.58,-654.67 C602.1@-288.58,-713.23 -271.78,-713.23 -262.99,-704.44 U601.7@-262.99,-654.67 ; C602.1@-288.3,-712.95 C602.1@-284.34,-708.98
  Top Layer w20: v1(-1309.57,-2801.52) -1299.22,-2791.17 C701.2@-1299.22,-2775.59 -1236.55,-2775.59 -1220.47,-2759.51 C702.2@-1220.47,-2736.22 ; R400.1@-1082.68,-2755.91 -1082.68,-2736.22 ; R702.2@-1082.68,-2716.54 -1082.68,-2736.22 ; R700.2@-1023.62,-2736.22 v1(-1053.15,-2736.22) -1082.68,-2736.22 ; v1(-492.13,-570.87) -492.13,-629.92 TP601.1@-472.44,-649.61 -472.44,-815.25 -439.32,-848.37 -335.42,-848.37 -314.96,-827.91 C603.2@-314.96,-807.09 ; D604.1@-244.29,-784.59 -244.29,-801.32 -216.54,-829.08 R621.2@-216.54,-866.14 -216.54,-886.79 -234.25,-904.51 Q601.2@-234.25,-940.94
  Layer 4 w20: v1(-1309.57,-2801.52) -1283.64,-2775.59 -1200.79,-2775.59 -1161.42,-2736.22 v1(-1053.15,-2736.22) -477.44,-2736.22 -241.76,-2500.53 -241.76,-2283.82 -320.85,-2204.72 -531.5,-2204.72 -603.35,-2132.88 -603.35,-1154.53 -492.13,-1043.31 v1(-492.13,-570.87)
  other v1: -492.13,-531.5
VDD_PIC_EN: R611.2 TP602.1 U601.2 U701.9 | length 2923.2
  Top Layer w5: U701.9@-1236.22,-2580.71 -1236.22,-2492.03 -1165.23,-2421.04 -882.68,-2421.04 -630.24,-2168.6 -630.24,-1151.22 -521.81,-1042.8 -521.81,-462.76 -469.63,-410.57 TP602.1@-334.84,-410.57 ; U601.2@-262.99,-481.44 U601.2@-262.99,-461.75
  Top Layer w10: TP602.1@-334.84,-410.57 R611.2@-275.79,-410.57 -275.79,-430.26 -262.99,-443.05 U601.2@-262.99,-461.75
pads on no net: J600.0 J700.2 J701. J800. J800.A8 J800.B8 U101.10 U101.11 U102.4 U102.8 U102.9 U200.6 U200.7 U300.1 U300.9 U300.10 U300.16 U500.6 U500.7 U500.9 U500.10 U500.11 U500.17 U500.21 U500.22 U500.25 U500.28 U500.45 U500.47 U500.48 U600.7 U800.10 U800.11 U800.12 U800.15 U800.16 U800.17

## Polygon pours and split planes (outlines as drawn)
GND on Top Layer "GND_L01_P015" (solid, remove dead copper, pour order 15): 2421.26,-3661.42 -2381.89,-3661.42 -2381.89,2047.24 2421.26,2047.24
A_GND on Top Layer "A_GND_L01_P010" (solid, pour order 10): 512.01,-1164.23 512.01,-2109.11 -511.61,-2109.11 -511.61,-1164.23 512.01,-1164.23
A_GND on Top Layer "A_GND_L01_P014" (solid, remove dead copper, pour order 14): 512.01,-2109.11 512.01,-1164.23 -511.61,-1164.23 -511.61,-2109.11
GND on Layer 4 "GND_L03_P012" (solid, remove dead copper, pour order 12): 2421.26,-3661.42 -2381.89,-3661.42 -2381.89,2047.24 2421.26,2047.24
A_GND on Layer 4 "A_GND_L03_P011" (solid, remove dead copper, pour order 11): 512.01,-2109.11 -511.61,-2109.11 -511.61,-1164.23 512.01,-1164.23
GND on Layer 1 "GND_L02_P013" (solid, remove dead copper, pour order 13): 2421.26,-3661.42 -2381.89,-3661.42 -2381.89,2047.24 2421.26,2047.24
GND on Bottom Layer "GND_L04_P016" (solid, remove dead copper, pour order 16): 2421.26,-3661.42 -2381.89,-3661.42 -2381.89,2047.24 2421.26,2047.24

## Keep-outs
Keep-Out Layer:
  circle w0.39: c1850.39,-2716.54 r196.85
  circle w0.39: c-1141.73,-2992.13 r196.85
  lines w0.39: -2322.83,-3307.09 ccw(c-2047.24,-3307.09) -2047.24,-3582.68 2047.24,-3582.68 ccw(c2047.24,-3307.09) 2322.83,-3307.09 2322.83,-2460.63 ccw(c2244.09,-2460.63) 2244.09,-2381.89 1003.94,-2381.89 cw(c1003.94,-2047.24) 669.29,-2047.24 669.29,-314.96 cw(c1144.53,-314.96) 808.49,21.08 850.47,63.07 ccw(c514.43,399.11) 989.67,399.11 989.67,1181.1 989.67,1210.67 ccw(c622.65,1210.67) 882.17,1470.19 867.54,1484.82 cw(c1203.58,1820.87) 728.35,1820.87 ccw(c561.02,1820.87) 561.02,1988.19 -561.02,1988.19 ccw(c-561.02,1820.87) -728.35,1820.87 cw(c-1203.58,1820.87) -867.54,1484.82 -882.17,1470.19 ccw(c-622.65,1210.67) -989.67,1210.67 -989.67,1181.1 -989.67,399.11 ccw(c-514.43,399.11) -850.47,63.07 -808.49,21.08 cw(c-1144.53,-314.96) -669.29,-314.96 -669.29,-2047.24 cw(c-1003.94,-2047.24) -1003.94,-2381.89 -2244.09,-2381.89 ccw(c-2244.09,-2460.63) -2322.83,-2460.63 -2322.83,-3307.09

## Other copper
Top Layer:
  rectangle net VDD_PIC: -506.56,-585.89 -477.3,-515.74
  rectangle net VDD_5V: -1751.97,-2972.44 -1712.6,-2854.33
  rectangle net VDD_3V3: 553.03,-2182.79 666.44,-2109.14
  region net A_GND: 39.57,-1715.41 -58.86,-1715.41 -58.86,-1784.47 39.57,-1784.47
  pour cut-out: 1553.98,-3283.52 1553.98,-3287.4 1607.26,-3287.4 1607.26,-3283.56 1611.3,-3283.52 2322.83,-3283.52 2322.83,-3582.68 393.7,-3582.68 393.7,-3316.93 427.11,-3283.52 1475.28,-3283.52 1475.28,-3287.4 1522.58,-3287.4 1522.58,-3283.52
  region net NetANT500_1: 1457.24,-3287.4 1451.1,-3241.26 1445.37,-3241.26 1439.24,-3287.4
  pour cut-out: 1475.8,-3287.4 1475.8,-2939.75 1417.51,-2939.75 1417.51,-3287.4
  region net VDD_5V: -264.76,-2354.33 -264.76,-2321.43 -255.91,-2312.57 -255.91,-2296.51 -288.23,-2264.19 -322.06,-2264.19 -322.06,-2298.42 -304.73,-2298.42 -286.42,-2316.74 -286.42,-2354.33
  region net VDD_PIC: -326.77,-740.48 -300.39,-740.48 -300.39,-701.42 -243.46,-701.42 -220.67,-724.21 -220.67,-821.99 -281.84,-821.99 -284.93,-818.9 -326.77,-818.9
  region net VDD_5V: -212.38,-1082.68 -149.99,-1082.68 -149.99,-1006.89 -212.38,-1006.89
  region net VDD_3V3: 666.44,-2109.14 666.44,-2221.56 688.98,-2244.09 634.97,-2244.09 600.81,-2209.93 553.03,-2209.93 553.03,-2109.14
  region net NetJ600_2: 15.55,1737.07 15.55,1615.02 45.28,1585.29 45.28,1490.16 86.61,1490.16 86.61,1652.22 62.79,1676.04 62.79,1737.07
  region net V_BATT: -110.24,1488.19 -118.11,1496.06 -118.11,1560.1 -63.19,1615.02 -63.19,1737.07 -15.95,1737.07 -15.95,1615.02 -1.48,1600.56 -1.48,1452.26 -23.42,1430.32 -23.42,1394.82 -94.29,1394.82 -94.29,1409.25 -110.24,1425.19
  region net V_BATT: -21.85,-131.04 -21.85,-80.91 0,-59.06 0,22.17 -116.63,22.17 -116.63,-59.06 -96.65,-79.03 -96.65,-131.04
  region net USB_VBUS: -346.65,-237.7 -472.44,-237.7 -472.44,-354.33 -382.93,-354.33 -346.65,-318.05
  region net USB_VBUS: 275.59,-2856.3 246.06,-2885.83 224.57,-2885.83 196.85,-2858.1 196.85,-2753.91 224.39,-2753.91 244.07,-2773.6 275.59,-2773.6
  region net USB_VBUS: 232.48,1452.89 232.48,1472.69 220.58,1484.59 137.99,1484.59 137.99,1522.78 256.1,1522.78 256.1,1452.89
  region net NetC600_1: 159.65,1168.45 159.65,1010.97 218.7,1010.97 218.7,1281.63 189.17,1311.16 137.99,1311.16 137.99,1301.32 162.6,1301.32 177.36,1286.56 177.27,1286.46 177.27,1186.07
  region net NetL601_2: -23.42,1282.62 -23.42,1211.75 19.88,1168.45 76.97,1168.45 76.97,1010.97 -39.17,1010.97 -94.29,1066.08 -94.29,1282.62
  region net VDD_5V: 302.95,-343.64 302.95,-321.01 286.22,-304.27 264.57,-304.27 264.57,-213.72 326.58,-213.72 326.58,-343.64
  region net VDD_3V3: 175,-646.79 175,-713.48 144.49,-743.99 144.49,-814.47 276.38,-814.47 276.38,-750.74 234.05,-708.42 234.05,-646.79 260.71,-620.14 260.71,-504.94 250.71,-504.94 250.71,-521.87 216.33,-556.24 125.79,-556.24 125.79,-619.24 147.44,-619.24
  region net NetL602_1: 300.08,-504.94 300.08,-521.87 375.79,-597.58 375.79,-646.79 316.73,-646.79 290.08,-620.14 290.08,-504.94
  region net NetC601_2: -245.37,-626.12 -245.37,-684.57 -107.95,-821.99 -47.44,-821.99 39.17,-735.38 39.17,-575.93 -204.92,-575.93 -246.26,-617.26 -246.26,-654.67
  region net NetC606_2: -96.65,-257.03 -96.65,-329.52 -90.75,-335.42 -90.75,-432.23 -118.31,-459.79 -118.31,-526.71 39.17,-526.71 39.17,-371.2 -21.85,-310.18 -21.85,-257.03
Layer 1:
  pour cut-out: 427.11,-3283.52 393.7,-3316.93 393.7,-3582.68 472.44,-3582.68 2322.83,-3582.68 2322.83,-3283.52 1475.25,-3283.52
  pour cut-out: -511.61,-1164.23 -511.61,-2109.11 512.01,-2109.11 512.01,-1164.23
Layer 4:
  rectangle net VDD_PIC: -506.56,-585.89 -477.3,-515.74
  rectangle net VDD_5V: -1751.97,-2972.44 -1712.6,-2854.33
  rectangle net VDD_3V3: 553.03,-2182.79 666.44,-2109.14
  rectangle net VDD_3V3: 144.49,-814.47 276.38,-750.74
  pour cut-out: 427.11,-3283.52 393.7,-3316.93 393.7,-3582.68 472.44,-3582.68 2322.83,-3582.68 2322.83,-3283.52 1475.25,-3283.52
  region net VDD_3V3: -249.57,-2831.47 -233.06,-2814.96 -196.85,-2814.96 -196.85,-2834.65 -226.67,-2864.46 -249.57,-2864.46
  region net VDD_5V: -286.42,-2316.74 -260.37,-2316.74 -260.37,-2292.05 -288.23,-2264.19 -313.39,-2264.19 -313.39,-2298.42 -304.73,-2298.42
Bottom Layer:
  rectangle net USB_VBUS: 137.99,1484.59 256.1,1522.78
  region net V_BATT: -118.11,1574.8 -118.11,1493.58 -1.48,1493.58 -1.48,1574.8
  region net V_BATT: 0,-59.06 0,22.17 -116.63,22.17 -116.63,-59.06
  rectangle net USB_VBUS: -472.44,-354.33 -391.22,-237.7
  region net USB_VBUS: 275.59,-2852.34 275.59,-2773.6 196.85,-2773.6 196.85,-2852.34
  rectangle net VDD_5V: 264.57,-312.15 326.58,-213.72
  pour cut-out: 427.11,-3283.52 393.7,-3316.93 393.7,-3582.68 472.44,-3582.68 2322.83,-3582.68 2322.83,-3283.52 1475.25,-3283.52

## Silkscreen, mask and mechanical layers (free items; w line width, h text height)
Top Overlay:
  lines w10: -925.2,492.13 -905.51,472.44 ; -925.2,807.09 -905.51,826.77 ; -905.51,570.87 -905.51,472.44 ; -905.51,728.35 -905.51,826.77 ; -885.83,492.13 -905.51,472.44 ; -885.83,807.09 -905.51,826.77 ; 885.83,492.13 905.51,472.44 ; 885.83,807.09 905.51,826.77 ; 905.51,570.87 905.51,472.44 ; 905.51,728.35 905.51,826.77 ; 925.2,492.13 905.51,472.44 ; 925.2,807.09 905.51,826.77
  lines w30: -226.38,1643.7 -127.95,1643.7 ; -177.17,1594.49 -177.17,1692.91 ; 127.95,1653.54 226.38,1653.54
  text "3.7V 1S ONLY" at -517.16,1404.46 h80
  text "G" at -751.55,953.09 h70
  text "G" at 587.03,953.09 h70
  text "S" at -751.55,854.66 h70
  text "S" at 587.03,854.66 h70
  text "P" at -751.55,756.24 h70
  text "P" at 587.03,756.24 h70
  text "Strain Relief" at -948.41,598.76 h70
  text "Strain Relief" at 783.88,598.76 h70
  text "LR44" at -104.94,579.07 h100
  text "P" at -751.55,441.28 h70
  text "P" at 587.03,441.28 h70
  text "S" at -751.55,342.85 h70
  text "S" at 587.03,342.85 h70
  text "G" at -751.55,244.43 h70
  text "G" at 587.03,244.43 h70
  text "BOOT" at -452.76,-3003.35 h50
  text "RST" at 137.8,-3003.35 h50
  text "2.45GHz WiFi / BLE" at 1850.39,-3534.84 h60
  text "I2C     1    0" at -1874.18,-3583.77 h60
Bottom Overlay:
  drawing of 18 lines, arcs and shapes, not listed
  text "Main PCB | Rev. C" at 334.65,-1802.6 h50
Top Solder:
  rectangle: 854.91,-3582.68 1889.76,-3283.36
  lines w30: -551.39,-1040.49 -551.39,-174.35 -157.68,-174.35 ; -472.65,-1119.24 550.98,-1119.23 550.98,-174.35 78.54,-174.35 ; -354.13,-2109.11 -511.61,-2109.11 -511.61,-1164.23 512.01,-1164.23 512.01,-2109.11 ; 727.77,-3101.47 727.77,-2451.86 ; 767.14,-3219.58 1397.06,-3219.58 ; 1032.88,-2451.87 1544.7,-2451.87 1544.7,-3199.9 ; 727.77,-2451.86 924.61,-2451.86 ; 727.77,-2451.86 727.77,-2451.86 ; 924.61,-2451.86 924.61,-2451.86
Mechanical 1:
  circle w0.39: c551.18,1820.87 r62.99
  circle w0.39: c-551.18,1820.87 r62.99
  circle w0.39: c-551.18,0 r62.99
  circle w0.39: c551.18,0 r62.99
  circle w0.39: c-393.7,-3444.88 r62.99
  circle w0.39: c393.7,-3444.88 r62.99
  circle w0.39: c551.18,-2362.2 r62.99
  circle w0.39: c-551.18,-2362.2 r62.99